# Altium PCB MyNixie.PcbDoc (part 1 of 2)
Units mil, origin at the board's own origin, x right, y up, seen from the top; angles counter-clockwise.
Board outline 7490.35 x 3159.64 mil, 2 copper layers (Top Layer, Bottom Layer); 206 components, 192 nets, 688 pads, 274 vias.
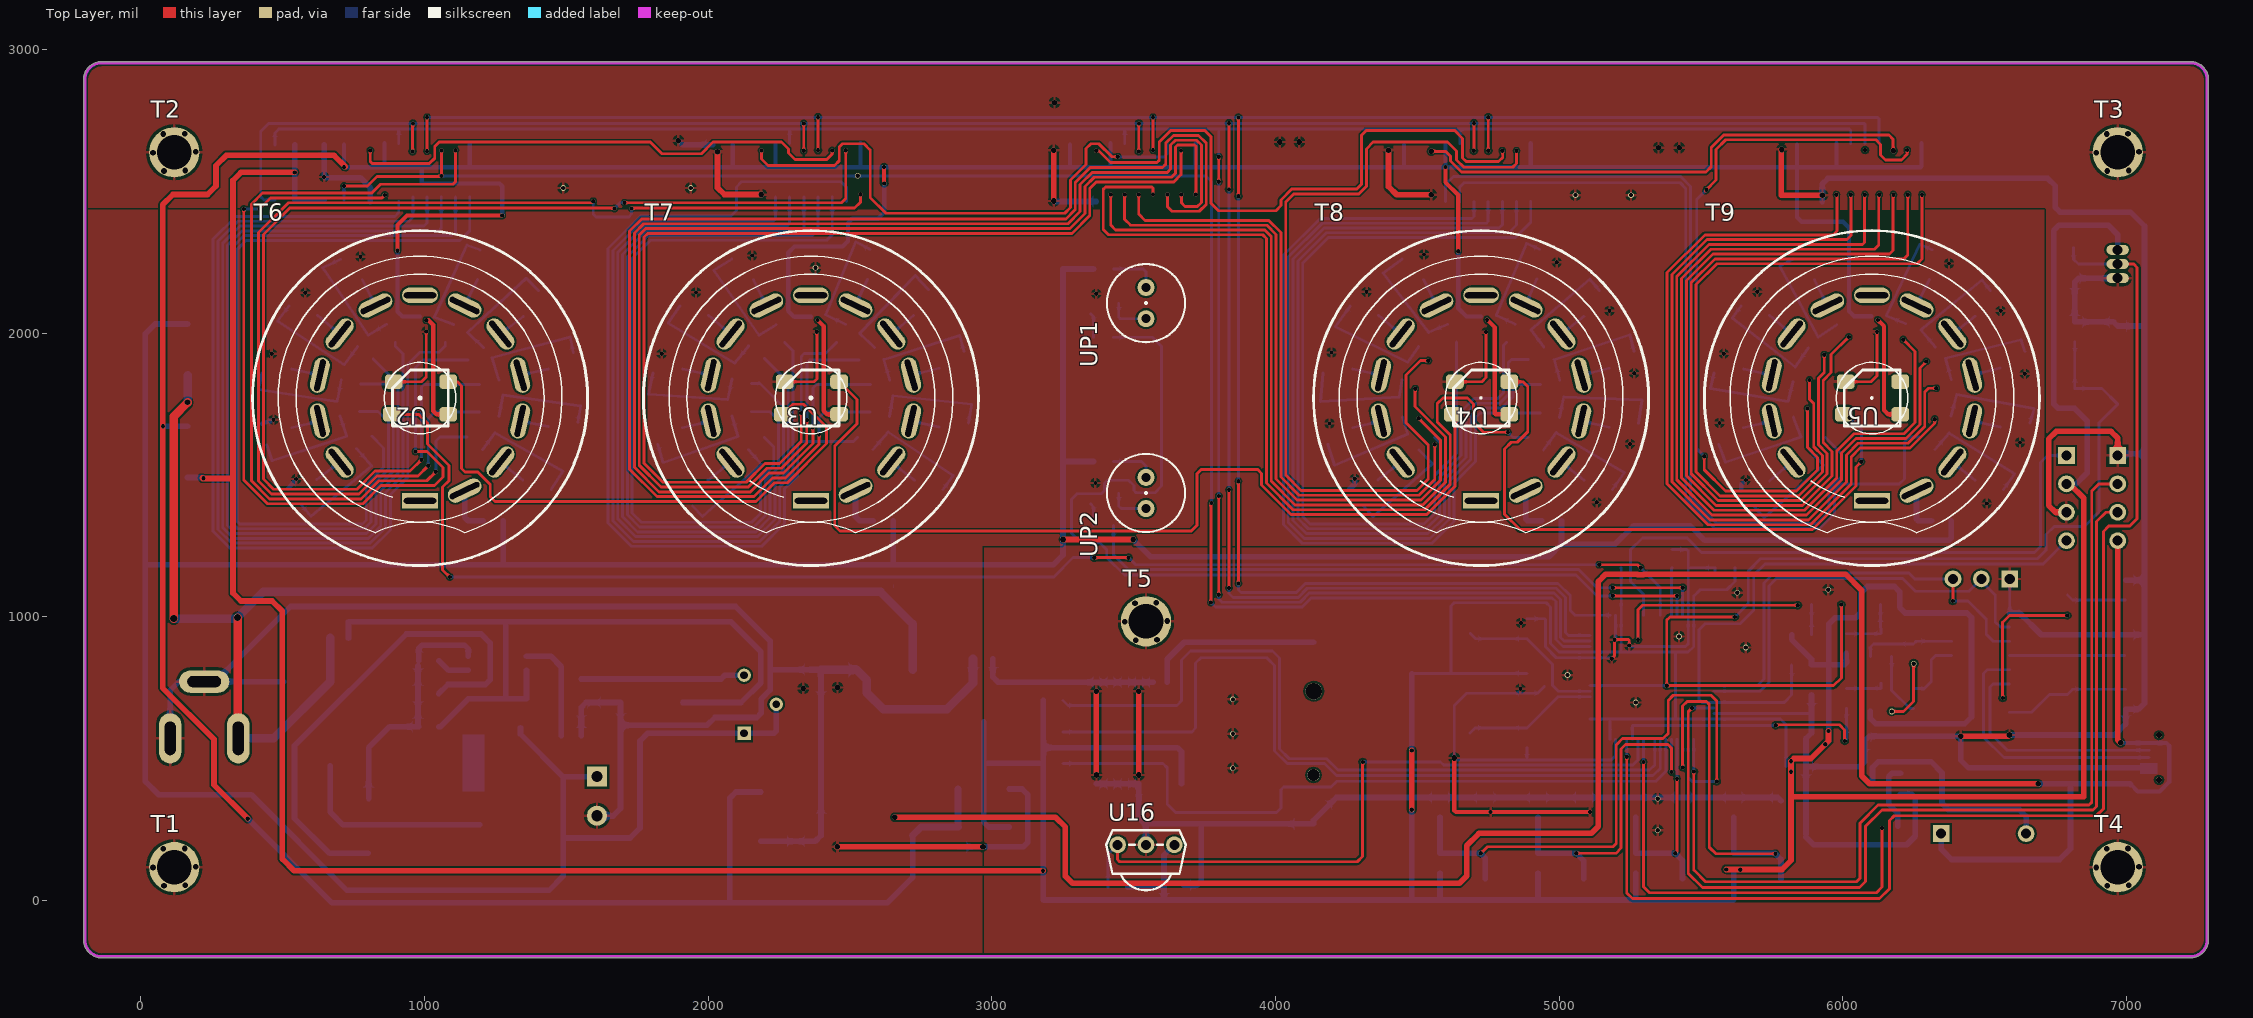
[diagram p0: Top Layer view]
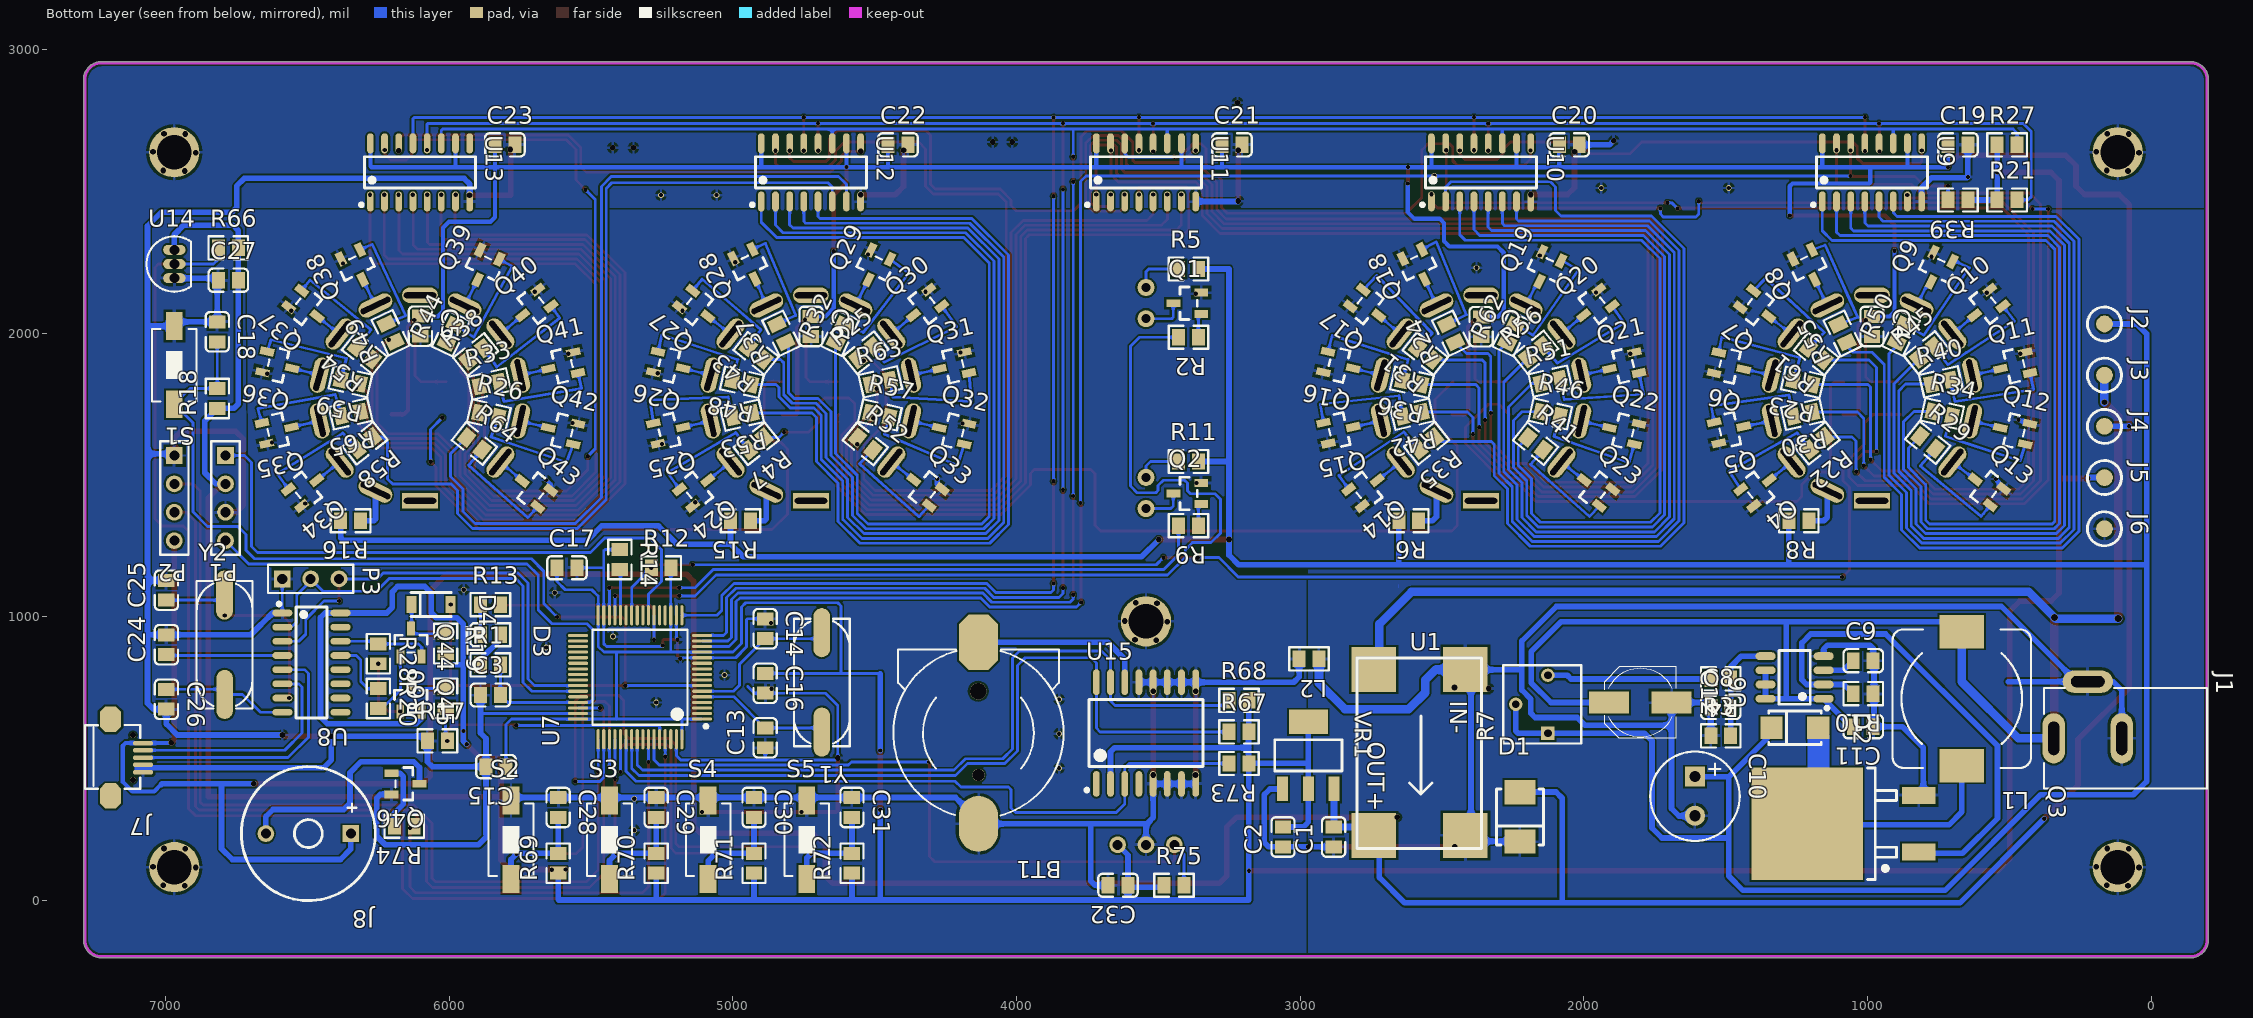
[diagram p1: Bottom Layer view, seen from below]
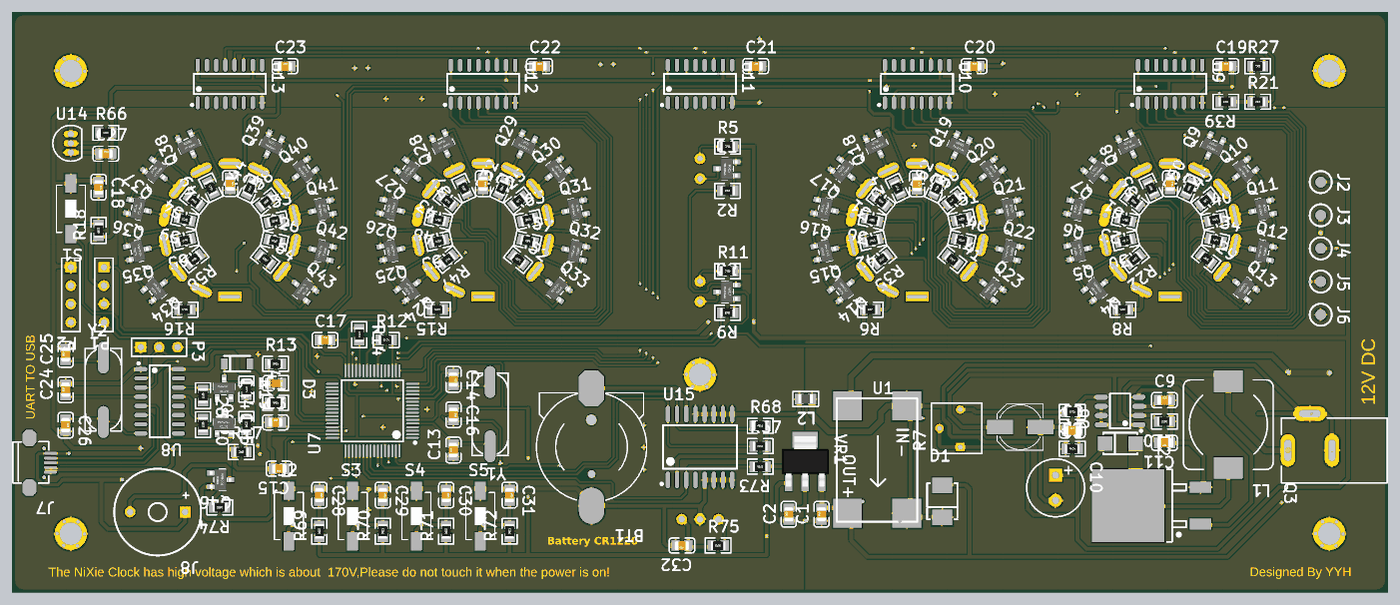
[diagram p3: 3D render of the assembled board from below, using the file's embedded part models]

## Layer stack, top to bottom
Top Solder: solder mask 0.4, Solder Resist, Dk 3.5
Top Layer: signal copper 1.4
Dielectric 1: dielectric 12.6, FR-4, Dk 4.8
Bottom Layer: signal copper 1.4
Bottom Solder: solder mask 0.4, Solder Resist, Dk 3.5

## Board outline
-138.93,-201.86 cw(c-137.8,-137.8) -201.87,-137.8 cw(c-196.85,-137.8) -201.87,-137.78 cw(c-196.85,-137.77) -201.87,-137.77 -201.87,2893.7 cw(c-137.8,2893.7) -138.84,2957.76 cw(c-138.55,2952.76) -138.55,2957.77 7225.95,2957.77 cw(c7225.95,2952.76) 7226.54,2957.74 cw(c7224.41,2893.7) 7288.42,2896.38 cw(c7283.46,2895.63) 7288.48,2895.63 7288.48,-138.86 cw(c7283.46,-138.86) 7288.46,-139.28 cw(c7224.41,-137.8) 7224.41,-201.87 cw(c7224.41,-196.85) 7223.58,-201.8 cw(c7222.75,-196.85) 7222.75,-201.87 -138.61,-201.87 cw(c-138.61,-196.85)

## Design rules (kind name [scope] priority, off if disabled: settings)
Clearance [All] p1: gap=7 ignorepadtopadclearanceinfootprint=FALSE except(0: Arc-Hole Track-Hole SMDPad-Hole THPad-Hole Via-Hole Fill-Hole Poly-Hole Region-Hole Text-Hole)
ComponentClearance [All] p1: gap=0 collisioncheckmode=3 verticalgap=0 showdistances=FALSE
Height [All] p1: minheight=0 maxheight=5000 prefheight=500
PolygonConnect [All] p1: connectstyle=Relief reliefconductorwidth=10 reliefentries=4 polygonreliefangle="90 Angle" airgapwidth=10
RoutingVias [All] p1: holewidth=20 width=20 viastyle="Through Hole" minholewidth=15 minwidth=15 maxholewidth=28 maxwidth=50
SolderMaskExpansion [All] p1: expansion=4
Width [All] p1: maxlimit=100 minlimit=7 preferedwidth=20 minimp=50.000000 maximp=50.000000 favimp=50.000000
28 further rules are at their usual default settings.

## Components (designator, comment, footprint, x,y, rotation, side; value= is the part's Value field where it differs from the comment)
BT1 "Battery" CR1220 4133.86,590.55 r0 bottom
C1 "100nF(104) 10% 50V" 0805_C 2881.89,224.41 r90 bottom
C2 "100nF(104) 10% 50V" 0805_C 3060.24,224.41 r90 bottom
C3 "100nF(104) 10% 50V" 0805_C 5854.33,724.8 r180 bottom
C4 "100nF(104) 10% 50V" 0805_C 984.25,2024 r270 bottom
C5 "100nF(104) 10% 50V" 0805_C 6101,2025 r270 bottom
C6 "100nF(104) 10% 50V" 0805_C 4724.41,2024 r270 bottom
C7 "100nF(104) 10% 50V" 0805_C 2362,2023 r270 bottom
C8 "100nF(104) 10% 50V" 0805_C 1517.32,681.2 r180 bottom
C9 "1nF (102) 10% 50V" 0805_C 1015.2,845.86 r180 bottom
C10 "4.7u/10u 250V" C-RB-8 1608,437 r270 bottom
C11 "100nF(104) 10% 50V" 0805_C 1015.2,613.18 r0 bottom
C12 "220uF/16V" C-RB-S6 1800.79,698.23 r180 bottom
C13 "20pF (200) 5% 50V" 0805_C 4885.83,573.97 r90 bottom
C14 "20pF (200) 5% 50V" 0805_C 4885.83,958.35 r270 bottom
C15 "100nF(104) 10% 50V" 0805_C 5834.65,472.44 r0 bottom
C16 "100nF(104) 10% 50V" 0805_C 4885.83,766.16 r270 bottom
C17 "100nF(104) 10% 50V" 0805_C 5584.55,1173.23 r180 bottom
C18 "100nF(104) 10% 50V" 0805_C 6816.93,2004.95 r270 bottom
C19 "100nF(104) 10% 50V" 0805_C 681.1,2664.17 r180 bottom
C20 "100nF(104) 10% 50V" 0805_C 2051.18,2664.16 r180 bottom
C21 "100nF(104) 10% 50V" 0805_C 3240.16,2664.16 r180 bottom
C22 "100nF(104) 10% 50V" 0805_C 4417.32,2664.16 r180 bottom
C23 "100nF(104) 10% 50V" 0805_C 5803.15,2664.16 r180 bottom
C24 "100nF(104) 10% 50V" 0805_C 6996.46,901.97 r90 bottom
C25 "20pF (200) 5% 50V" 0805_C 6996.46,1094.16 r90 bottom
C26 "20pF (200) 5% 50V" 0805_C 6996.46,709.78 r270 bottom
C27 "100nF(104) 10% 50V" 0805_C 6778.02,2187.05 r180 bottom
C28 "100nF(104) 10% 50V" 0805_C 5615.35,328.54 r270 bottom
C29 "100nF(104) 10% 50V" 0805_C 5270.21,328.54 r270 bottom
C30 "100nF(104) 10% 50V" 0805_C 4925.07,328.54 r270 bottom
C31 "100nF(104) 10% 50V" 0805_C 4579.92,328.54 r270 bottom
C32 "22uF (226) 20% 25V" 0805_C 3641.73,54.24 r0 bottom
D1 "P6SMB6.8CA" SMB(DO-214AA)_S1 2225,295 r90 bottom
D2 "UF4007" LC-SMA(DO-214AC)_S1 1255.76,609.64 r180 bottom
D3 "红灯 0805" 0805_LED_S1 5854.33,937.14 r180 bottom
D4 "LL4148 LL-34 1206" LL-34 6063.39,1043.7 r180 bottom
J1 "PWRCON" DC-005 378.45,572.06 r180 bottom
J2 "CHECK" CHECK-B 164.67,2032.78 r270 bottom
J3 "CHECK" CHECK-B 164.67,1852.28 r270 bottom
J4 "CHECK" CHECK-B 164.67,1671.78 r270 bottom
J5 "CHECK" CHECK-B 164.67,1491.27 r270 bottom
J6 "CHECK" CHECK-B 164.67,1310.77 r270 bottom
J7 "USB_M" USB_MICRO 7143.7,604.33 r270 bottom
J8 "BEEP" Beep-12095 6496.06,236.22 r0 bottom
L1 "330uH SMD-12*12" L-SMD-12 667.72,712 r270 bottom
L2 "100uH ±10%" 0805_L 2968.5,852.17 r0 bottom
P1 "MetalKey" HDR4X1_A 6788,1569 r270 bottom
P2 "Header 4" HDR4X1_A 6968.5,1569 r270 bottom
P3 "Header 3" HDR3X1_A 6588,1134 r180 bottom
Q1 "A42" SOT-23(SOT-23-3) 3397.76,2105.76 r180 bottom
Q2 "A42" SOT-23(SOT-23-3) 3397.76,1435.17 r180 bottom
Q3 "IRF740" TO-263-2 819.13,271 r180 bottom
Q4 "A42" SOT-23(SOT-23-3) 1385.04,1451.18 r321.43 bottom
Q5 "A42" SOT-23(SOT-23-3) 1484.25,1660.24 r347.14 bottom
Q6 "A42" SOT-23(SOT-23-3) 1484.65,1884.65 r12.86 bottom
Q7 "A42" SOT-23(SOT-23-3) 1386.61,2089.76 r38.57 bottom
Q8 "A42" SOT-23(SOT-23-3) 1208.27,2233.46 r64.29 bottom
Q9 "A42" SOT-23(SOT-23-3) 755,2225 r115.71 bottom
Q10 "A42" SOT-23(SOT-23-3) 584.25,2094.09 r141.43 bottom
Q11 "A42" SOT-23(SOT-23-3) 483.46,1885.43 r167.14 bottom
Q12 "A42" SOT-23(SOT-23-3) 483.86,1655.91 r192.86 bottom
Q13 "A42" SOT-23(SOT-23-3) 581.89,1453.94 r218.57 bottom
Q14 "A42" SOT-23(SOT-23-3) 2766.14,1451.18 r321.43 bottom
Q15 "A42" SOT-23(SOT-23-3) 2861.02,1658.66 r347.14 bottom
Q16 "A42" SOT-23(SOT-23-3) 2861.81,1887.8 r12.86 bottom
Q17 "A42" SOT-23(SOT-23-3) 2761.81,2093.31 r38.57 bottom
Q18 "A42" SOT-23(SOT-23-3) 2583.07,2234.65 r64.29 bottom
Q19 "A42" SOT-23(SOT-23-3) 2135,2227 r115.71 bottom
Q20 "A42" SOT-23(SOT-23-3) 1962.2,2094.09 r141.43 bottom
Q21 "A42" SOT-23(SOT-23-3) 1861.42,1885.43 r167.14 bottom
Q22 "A42" SOT-23(SOT-23-3) 1861.81,1655.91 r192.86 bottom
Q23 "A42" SOT-23(SOT-23-3) 1960.24,1451.57 r218.57 bottom
Q24 "A42" SOT-23(SOT-23-3) 5125.98,1451.18 r321.43 bottom
Q25 "A42" SOT-23(SOT-23-3) 5223.62,1657.48 r347.14 bottom
Q26 "A42" SOT-23(SOT-23-3) 5223.62,1887.8 r12.86 bottom
Q27 "A42" SOT-23(SOT-23-3) 5125.98,2090.16 r38.57 bottom
Q28 "A42" SOT-23(SOT-23-3) 4942.52,2235.83 r64.29 bottom
Q29 "A42" SOT-23(SOT-23-3) 4500.39,2233.07 r115.71 bottom
Q30 "A42" SOT-23(SOT-23-3) 4324.41,2094.09 r141.43 bottom
Q31 "A42" SOT-23(SOT-23-3) 4223.62,1885.43 r167.14 bottom
Q32 "A42" SOT-23(SOT-23-3) 4224.02,1655.91 r192.86 bottom
Q33 "A42" SOT-23(SOT-23-3) 4323.23,1452.36 r218.57 bottom
Q34 "A42" SOT-23(SOT-23-3) 6504.33,1451.18 r321.43 bottom
Q35 "A42" SOT-23(SOT-23-3) 6603.15,1658.27 r347.14 bottom
Q36 "A42" SOT-23(SOT-23-3) 6601.57,1888.19 r12.86 bottom
Q37 "A42" SOT-23(SOT-23-3) 6503.94,2090.55 r38.57 bottom
Q38 "A42" SOT-23(SOT-23-3) 6325.98,2233.86 r64.29 bottom
Q39 "A42" SOT-23(SOT-23-3) 5877.95,2233.07 r115.71 bottom
Q40 "A42" SOT-23(SOT-23-3) 5702.36,2094.09 r141.43 bottom
Q41 "A42" SOT-23(SOT-23-3) 5601.57,1885.43 r167.14 bottom
Q42 "A42" SOT-23(SOT-23-3) 5601.97,1655.91 r192.86 bottom
Q43 "A42" SOT-23(SOT-23-3) 5703.15,1448.43 r218.57 bottom
Q44 "A42" SOT-23(SOT-23-3) 6134.25,910.1 r270 bottom
Q45 "SS8550 Y2" SOT-23(SOT-23-3) 6135,716.06 r270 bottom
Q46 "A42" SOT-23(SOT-23-3) 6153.54,411.81 r0 bottom
R1 "10KΩ (1002) ±1%" 0805_R 5854.33,830.97 r180 bottom
R2 "24KΩ (2402) ±1%" 0805_R 3393.56,1985.75 r0 bottom
R3 "2KΩ (2001) ±1%" 0805_R 1517.32,580.91 r180 bottom
R4 "270KΩ (2703) ±1%" 0805_R 1517.32,781.49 r0 bottom
R5 "240KΩ (2403) ±1%" 0805_R 3393.56,2226.59 r180 bottom
R6 "20KΩ (2002) ±1%" 0805_R 2617,1339 r0 bottom
R7 "50K" VR_B1 2126.77,692.13 r90 bottom
R8 "20KΩ (2002) ±1%" 0805_R 1242,1339 r0 bottom
R9 "24KΩ (2402) ±1%" 0805_R 3393.56,1321.9 r0 bottom
R10 "330Ω (3300) ±1%" 0805_R 1015.2,729.52 r0 bottom
R11 "240KΩ (2403) ±1%" 0805_R 3393.56,1547.87 r180 bottom
R12 "4.7KΩ (4701) ±1%" 0805_R 5251.97,1173.23 r180 bottom
R13 "1KΩ (1001) ±1%" 0805_R 5854.33,1043.31 r180 bottom
R14 "10KΩ (1002) ±1%" 0805_R 5398,1202.16 r270 bottom
R15 "20KΩ (2002) ±1%" 0805_R 4973,1339 r0 bottom
R16 "20KΩ (2002) ±1%" 0805_R 6347,1339 r0 bottom
R17 "10KΩ (1002) ±1%" 0805_R 6041.14,562.99 r180 bottom
R18 "10KΩ (1002) ±1%" 0805_R 6816.93,1770.17 r90 bottom
R19 "10KΩ (1002) ±1%" 0805_R 6012.2,905.91 r270 bottom
R20 "1KΩ (1001) ±1%" 0805_R 6249.22,712.27 r270 bottom
R21 "4.7KΩ (4701) ±1%" 0805_R 507.87,2469.94 r180 bottom
R22 "24KΩ (2402) ±1%" 0805_R 1177.56,1612.2 r321.43 bottom
R23 "24KΩ (2402) ±1%" 0805_R 1227.95,1827.17 r12.86 bottom
R24 "24KΩ (2402) ±1%" 0805_R 2468.5,2000 r64.29 bottom
R25 "24KΩ (2402) ±1%" 0805_R 4531.5,1931.1 r141.43 bottom
R26 "24KΩ (2402) ±1%" 0805_R 5859.45,1712.2 r192.86 bottom
R27 "4.7KΩ (4701) ±1%" 0805_R 507.87,2664.17 r180 bottom
R28 "1KΩ (1001) ±1%" 0805_R 6249.22,870 r270 bottom
R29 "24KΩ (2402) ±1%" 0805_R 787.8,1614.96 r218.57 bottom
R30 "24KΩ (2402) ±1%" 0805_R 1228.35,1714.17 r347.14 bottom
R31 "24KΩ (2402) ±1%" 0805_R 2559.06,1927.95 r38.57 bottom
R32 "24KΩ (2402) ±1%" 0805_R 4622.05,2000.39 r115.71 bottom
R33 "24KΩ (2402) ±1%" 0805_R 5858.27,1821.26 r167.14 bottom
R34 "24KΩ (2402) ±1%" 0805_R 736.61,1716.54 r192.86 bottom
R35 "24KΩ (2402) ±1%" 0805_R 2553.94,1611.81 r321.43 bottom
R36 "24KΩ (2402) ±1%" 0805_R 2605.91,1826.77 r12.86 bottom
R37 "24KΩ (2402) ±1%" 0805_R 4829.13,2000 r64.29 bottom
R38 "24KΩ (2402) ±1%" 0805_R 5905.51,1925.59 r141.43 bottom
R39 "4.7KΩ (4701) ±1%" 0805_R 681.1,2469.94 r0 bottom
R40 "24KΩ (2402) ±1%" 0805_R 740.94,1828.35 r167.14 bottom
R41 "24KΩ (2402) ±1%" 0805_R 2170.08,1611.02 r218.57 bottom
R42 "24KΩ (2402) ±1%" 0805_R 2605.12,1714.57 r347.14 bottom
R43 "24KΩ (2402) ±1%" 0805_R 4918.11,1929.13 r38.57 bottom
R44 "24KΩ (2402) ±1%" 0805_R 5993.7,1998.43 r115.71 bottom
R45 "24KΩ (2402) ±1%" 0805_R 791.73,1931.5 r141.43 bottom
R46 "24KΩ (2402) ±1%" 0805_R 2118.5,1715.75 r192.86 bottom
R47 "24KΩ (2402) ±1%" 0805_R 4917.32,1610.63 r321.43 bottom
R48 "24KΩ (2402) ±1%" 0805_R 4967.72,1827.17 r12.86 bottom
R49 "24KΩ (2402) ±1%" 0805_R 6206.3,2001.97 r64.29 bottom
R50 "24KΩ (2402) ±1%" 0805_R 881.5,2000 r115.71 bottom
R51 "24KΩ (2402) ±1%" 0805_R 2118.5,1831.1 r167.14 bottom
R52 "24KΩ (2402) ±1%" 0805_R 4533.07,1610.24 r218.57 bottom
R53 "24KΩ (2402) ±1%" 0805_R 4966.93,1711.42 r347.14 bottom
R54 "24KΩ (2402) ±1%" 0805_R 6298.03,1929.92 r38.57 bottom
R55 "24KΩ (2402) ±1%" 0805_R 1088.19,1999.21 r64.29 bottom
R56 "24KΩ (2402) ±1%" 0805_R 2170.08,1933.86 r141.43 bottom
R57 "24KΩ (2402) ±1%" 0805_R 4481.1,1712.2 r192.86 bottom
R58 "24KΩ (2402) ±1%" 0805_R 6296.85,1612.6 r321.43 bottom
R59 "24KΩ (2402) ±1%" 0805_R 6347.64,1829.53 r12.86 bottom
R60 "1KΩ (1001) ±1%" 0805_R 6012.2,712.99 r90 bottom
R61 "24KΩ (2402) ±1%" 0805_R 1180.71,1927.17 r38.57 bottom
R62 "24KΩ (2402) ±1%" 0805_R 2254.72,1998.82 r115.71 bottom
R63 "24KΩ (2402) ±1%" 0805_R 4479.53,1828.35 r167.14 bottom
R64 "24KΩ (2402) ±1%" 0805_R 5910.63,1611.02 r218.57 bottom
R65 "24KΩ (2402) ±1%" 0805_R 6347.24,1715.75 r347.14 bottom
R66 "4.7KΩ (4701) ±1%" 0805_R 6778.02,2301.14 r180 bottom
R67 "4.7KΩ (4701) ±1%" 0805_R 3215.75,594.68 r180 bottom
R68 "4.7KΩ (4701) ±1%" 0805_R 3215.75,705.91 r180 bottom
R69 "10KΩ (1002) ±1%" 0805_R 5615.35,131.69 r90 bottom
R70 "10KΩ (1002) ±1%" 0805_R 5270.21,131.69 r90 bottom
R71 "10KΩ (1002) ±1%" 0805_R 4925.07,131.69 r90 bottom
R72 "10KΩ (1002) ±1%" 0805_R 4579.92,131.69 r90 bottom
R73 "4.7KΩ (4701) ±1%" 0805_R 3215.75,483.46 r0 bottom
R74 "1KΩ (1001) ±1%" 0805_R 6157.74,262.2 r0 bottom
R75 "4.7KΩ (4701) ±1%" 0805_R 3444.88,54.24 r180 bottom
S1 "SW-PB" SW_PB2_A1 6968.5,1889.76 r0 bottom
S2 "SW-PB" SW_PB2_A1 5781.97,212.24 r180 bottom
S3 "SW-PB" SW_PB2_A1 5434.41,212.24 r180 bottom
S4 "SW-PB" SW_PB2_A1 5086.86,212.24 r180 bottom
S5 "SW-PB" SW_PB2_A1 4739.3,212.24 r180 bottom
T1 "M3铜柱螺丝孔" 螺丝孔-3MM 118.11,118.11 r0 top
T2 "M3铜柱螺丝孔" 螺丝孔-3MM 118.11,2637.8 r0 top
T3 "M3铜柱螺丝孔" 螺丝孔-3MM 6968.5,2637.8 r0 top
T4 "M3铜柱螺丝孔" 螺丝孔-3MM 6968.5,118.11 r0 top
T5 "M3铜柱螺丝孔" 螺丝孔-3MM 3543.31,984.25 r0 top
T6 "QS30-1" QS30-1 984.25,1771.65 r0 top
T7 "QS30-1" QS30-1 2362.2,1771.65 r0 top
T8 "QS30-1" QS30-1 4724.41,1771.65 r0 top
T9 "QS30-1" QS30-1 6102.36,1771.65 r0 top
U1 "MP1584 Module" "MP1584 MODULE" 2579,522.04 r270 bottom
U2 "WS2812-LED" WS2812 984.25,1771.65 r180 top
U3 "WS2812-LED" WS2812 2362.2,1771.65 r180 top
U4 "WS2812-LED" WS2812 4724.41,1771.65 r180 top
U5 "WS2812-LED" WS2812 6102.36,1771.65 r180 top
U6 "MC34063A" SOIC-8_150mil 1256.94,786.8 r90 bottom
U7 "STM32F103RBT6" LQFP-64_10x10x05P 5326.77,787.4 r90 bottom
U8 "CH340G" SOIC-16_150mil 6485.04,839.11 r270 bottom
U9 "74HC595D" LC-SOIC-16_150mil 984.25,2567.06 r180 bottom
U10 "74HC595D" LC-SOIC-16_150mil 2362.2,2567.06 r180 bottom
U11 "74HC595D" LC-SOIC-16_150mil 3543.31,2567.06 r180 bottom
U12 "74HC595D" LC-SOIC-16_150mil 4724.41,2567.06 r180 bottom
U13 "74HC595D" LC-SOIC-16_150mil 6102.36,2567.06 r180 bottom
U14 "DS18B20" TO-92A 6968.5,2244.09 r180 bottom
U15 "DS3231M+TRL" LC-SOIC-16_300mil 3543.31,590.55 r180 bottom
U16 "HX1838" HS0038B 3543.31,196.85 r0 top
UP1 "Neon" NEON 3543.31,2106.3 r90 top
UP2 "Neon" NEON 3543.31,1437.01 r90 top
VR1 "AMS1117-3.3" LC-SOT-223 2971.06,511.81 r270 bottom
Y1 "8M" X-SM49 4686.08,769.16 r270 bottom
Y2 "12M" X-SM49 6791.34,901.97 r90 bottom
